# Altium PCB PA-HF_100W-VHF_60W.PcbDoc (part 3 of 3)
Units mm, origin at the board's own origin, x right, y up, seen from the top; angles counter-clockwise.
Board outline 171 x 171 mm, 2 copper layers (Top Layer, Bottom Layer), stack 1.571 mm thick; 425 components, 235 nets, 1294 pads, 562 vias.
Unrouted connection lines stored in the file: 405.
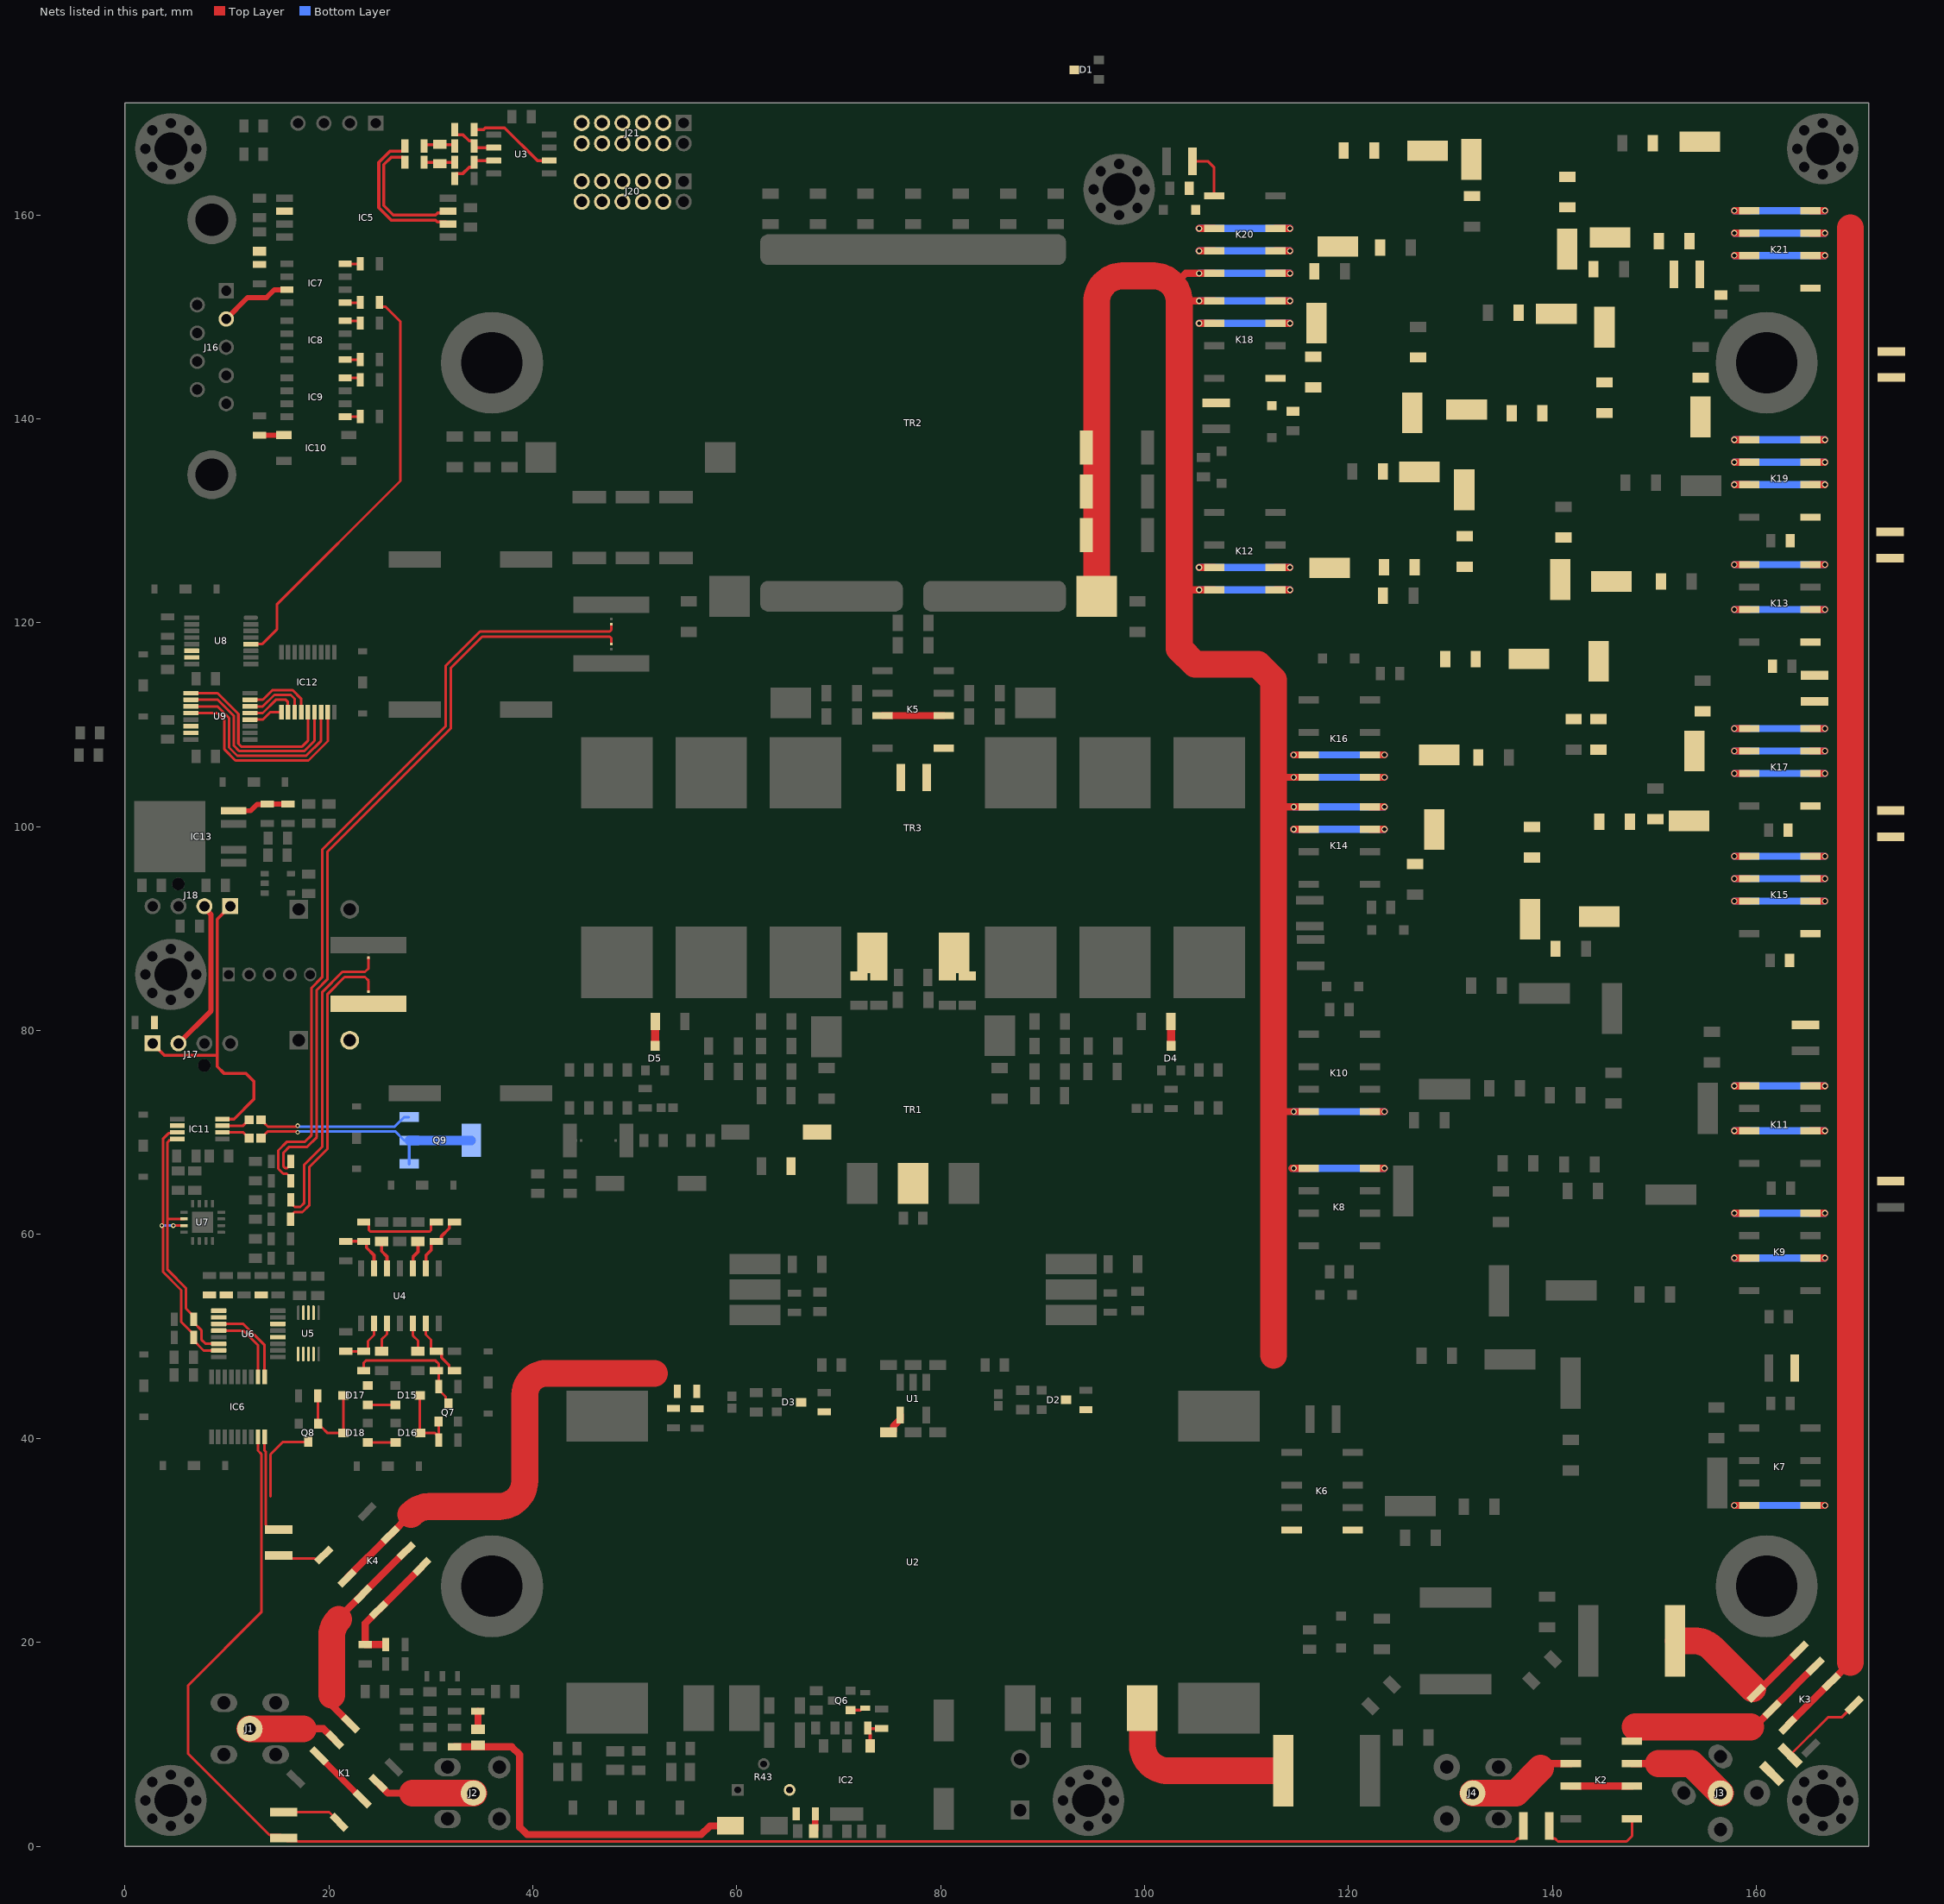
[diagram p3: the nets of this part, all layers, seen from the top]

## Via types
v1: diameter 0.6, hole 0.4, Top Layer to Bottom Layer, 522 vias
v2: diameter 0.6, hole 0.4, Top Layer to Bottom Layer, tented both sides, 26 vias
v3: diameter 0.45, hole 0.25, Top Layer to Bottom Layer, tented both sides, 10 vias
v4: diameter 0.5, hole 0.2, Top Layer to Bottom Layer, tented both sides, 4 vias

## Nets (pads, with @x,y where several pads share a name; then routed paths per layer and width w, separated by ;. In a path a pad name is that pad's centre, name@x,y a point inside that pad or via, vN(x,y) a via of type N, cw(c..) or ccw(c..) an arc to the next point about the centre after c; other vN are vias at no path point) (continued)
NetC93_2: C93.2 C95.1 C99.1 L28.2 L29.1
NetC94_1: C94.1 C95.2 C98.1 L27.2 L28.1
NetC94_2: C94.2 C97.1 K12.3 K12.6 L27.1 | length 11.8
  Top Layer w0.7: v1(105.35,125.425) K12.3@106.825,125.425 ; K12.6@112.825,125.425 v1(114.25,125.425)
  Bottom Layer w0.7: v1(105.35,125.425) 109.8,125.425 v1(114.25,125.425)
NetC100_1: C100.1 K13.1 L30.2
NetC102_1: C102.1 C103.2 C106.1 L31.2 L32.1
NetC102_2: C102.2 C105.1 K14.3 K14.6 L31.1 | length 11.8
  Top Layer w0.7: v1(114.625,99.75) K14.6@116.1,99.75 ; K14.3@122.1,99.75 v1(123.525,99.75)
  Bottom Layer w0.7: v1(114.625,99.75) 119.075,99.75 v1(123.525,99.75)
NetC103_1: C103.1 C107.1 K15.3 K15.6 L32.2 | length 11.8
  Top Layer w0.7: v1(157.825,94.9) K15.6@159.3,94.9 ; K15.3@165.3,94.9 v1(166.725,94.9)
  Bottom Layer w0.7: v1(157.825,94.9) 162.275,94.9 v1(166.725,94.9)
NetC108_1: C108.1 K15.1 L33.2
NetC109_1: C109.1 C111.1 K16.3 K16.6 L34.1 | length 11.8
  Top Layer w0.7: v1(114.625,107.05) K16.3@116.1,107.05 ; K16.6@122.1,107.05 v1(123.525,107.05)
  Bottom Layer w0.7: v1(114.625,107.05) 119.075,107.05 v1(123.525,107.05)
NetC109_2: C109.2 C110.1 C112.1 L34.2 L35.1
NetC110_2: C110.2 C113.1 K17.3 K17.6 L35.2 | length 11.8
  Top Layer w0.7: v1(157.825,107.425) K17.6@159.3,107.425 ; K17.3@165.3,107.425 v1(166.725,107.425)
  Bottom Layer w0.7: v1(157.825,107.425) 162.275,107.425 v1(166.725,107.425)
NetC114_2: C114.2 K17.1 L36.1
NetC116_1: C116.1 C118.2 C122.1 L38.2 L39.1
NetC116_2: C116.2 C119.1 K19.3 K19.6 L39.2 | length 11.8
  Top Layer w0.7: v1(157.825,135.75) K19.6@159.3,135.75 ; K19.3@165.3,135.75 v1(166.725,135.75)
  Bottom Layer w0.7: v1(157.825,135.75) 162.275,135.75 v1(166.725,135.75)
NetC117_1: C117.1 C120.2 K18.3 K18.6 L37.1 | length 11.8
  Top Layer w0.7: v1(105.35,149.375) K18.6@106.825,149.375 ; K18.3@112.825,149.375 v1(114.25,149.375)
  Bottom Layer w0.7: v1(105.35,149.375) 109.8,149.375 v1(114.25,149.375)
NetC117_2: C117.2 C118.1 C121.1 L37.2 L38.1
NetC123_1: C123.1 K19.1 L41.2
NetC124_1: C124.1 D13.1 K18.1 K20.2 K20.7 L40.1 | length 11.8
  Top Layer w0.7: v1(105.35,158.675) K20.2@106.825,158.675 ; K20.7@112.825,158.675 v1(114.25,158.675)
  Bottom Layer w0.7: v1(105.35,158.675) 109.8,158.675 v1(114.25,158.675)
NetC125_1: C125.1 C127.2 C131.1 L43.2 L44.1
NetC125_2: C125.2 C128.1 K21.3 K21.6 L44.2 | length 11.8
  Top Layer w0.7: v1(157.825,158.225) K21.6@159.3,158.225 ; K21.3@165.3,158.225 v1(166.725,158.225)
  Bottom Layer w0.7: v1(157.825,158.225) 162.275,158.225 v1(166.725,158.225)
NetC126_1: C126.1 C129.2 K20.3 K20.6 L42.1 | length 11.8
  Top Layer w0.7: v1(105.35,156.475) K20.3@106.825,156.475 ; K20.6@112.825,156.475 v1(114.25,156.475)
  Bottom Layer w0.7: v1(105.35,156.475) 109.8,156.475 v1(114.25,156.475)
NetC126_2: C126.2 C127.1 C130.1 L42.2 L43.1
NetC132_2: C132.2 K21.1 L46.2
NetC133_1: C133.1 D14.1 K20.1 L45.1 L46.1 | length 5.2
  Top Layer w0.254: L45.1@104.7,165.275 106.2,165.275 106.825,164.65 K20.1@106.825,161.875
NetC134_2: C134.2 U4.10 U5.6 | length 2.9
  Top Layer w0.254: C134.2@25.183,48.55 25.183,49.708 25.705,50.23 U4.10@25.705,51.275
NetC140_2: C140.2 U4.5 U5.7 | length 2.9
  Top Layer w0.3: C140.2@25.183,59.325 25.183,58.367 25.705,57.845 U4.5@25.705,56.675
NetC142_1: C142.1 R57.1 R58.2 | length 3
  Top Layer w0.3: R58.2@29.35,165.175 R57.1@32.35,165.175
NetC142_2: C142.2 R53.1 R54.2 | length 3
  Top Layer w0.3: R54.2@29.35,166.875 32.25,166.875 R53.1@32.35,166.775
NetC143_1: C143.1 IC5.2 R56.2
NetC146_2: C146.2 U4.3 U5.8 | length 2.9
  Top Layer w0.3: U4.3@28.245,56.675 28.245,57.795 28.75,58.3 28.75,59.317 C146.2@28.742,59.325
NetC147_2: C147.2 U4.12 U5.9 | length 2.9
  Top Layer w0.254: U4.12@28.245,51.275 28.245,50.08 28.742,49.583 C147.2@28.742,48.55
NetD1_3: D1.3 L5.1
NetD2_3: D2.3 R22.1
NetD3_3: D3.3 R23.1
NetD4_3: D4.3 R24.1 | length 2.4
  Top Layer w0.8: R24.1@102.575,80.9 102.588,80.888 102.588,78.512 D4.3@102.6,78.5
NetD5_3: D5.3 R25.1 | length 2.4
  Top Layer w0.8: D5.3@52,78.5 52.013,78.512 52.013,80.888 R25.1@52.025,80.9
NetD6_2: D6.2 L13.1 R40.1 | length 35.1
  Top Layer w0.7: R40.1@32.325,9.75 37.95,9.75 38.725,8.975 38.725,1.85 39.435,1.14 56.515,1.14 57.375,2 D6.2@59.375,2
NetD15_3: D15.3 D16.3 Q7.1 R67.2 | length 7.5
  Top Layer w0.254: D15.3@28.925,44.225 28.925,40.575 D16.3@28.95,40.55 30.375,40.55 R67.2@30.775,40.15 ; R67.2@30.775,39.85 R67.2@30.775,40.15 ; Q7.1@30.775,41.665 R67.2@30.775,40.15
NetD17_3: D17.3 D18.3 Q8.1 R79.2 | length 9.3
  Top Layer w0.254: R79.2@18.925,44.175 18.925,41.375 19.224,41.076 19.309,41.076 19.835,40.55 D18.3@21.425,40.55 D17.3@21.425,44.225
NetFB1_2: FB1.2 R26.2 TR1.5
NetFB8_1: FB8.1 Q9.1 Q9.2 Q9.4 | length 23.7
  Top Layer w0.254: FB8.1@13.351,69.45 13.375,69.45 13.677,69.752 13.677,69.776 14.022,70.121 16.853,70.121 v3(16.953,70.021)
  Bottom Layer w0.254: v3(16.953,70.021) 17.006,70.021 17.106,70.121 26.504,70.121 27.4,69.225 Q9.2@27.875,69.225
  Bottom Layer w0.3: Q9.1@27.875,66.925 Q9.2@27.875,69.225
  Bottom Layer w0.9: Q9.2@27.875,69.225 Q9.4@33.975,69.225
NetFB8_2: FB8.2 IC11.2 | length 2.9
  Top Layer w0.254: IC11.2@9.562,70.025 11.6,70.025 12.175,69.45 FB8.2@12.199,69.45
NetFB9_1: FB9.1 Q9.3 | length 15.3
  Top Layer w0.254: FB9.1@13.351,71.25 13.375,71.25 13.677,70.948 13.677,70.924 14.026,70.575 16.85,70.575 v3(16.95,70.675)
  Bottom Layer w0.254: v3(16.95,70.675) 17.003,70.675 17.103,70.575 26.45,70.575 27.4,71.525 Q9.3@27.875,71.525
NetFB9_2: FB9.2 IC11.3 | length 2.9
  Top Layer w0.254: IC11.3@9.562,70.675 11.6,70.675 12.175,71.25 FB9.2@12.199,71.25
NetIC2_1: IC2.1 R45.1 R47.2 | length 3.2
  Top Layer w0.3: IC2.1@73.09,9.85 73.09,11.06 72.85,11.3 R45.1@72.85,11.6 72.9,11.55 R47.2@74.2,11.55
NetIC4_2: IC4.2 NT6.2 R44.2
NetIC5_6: IC5.6 R54.1 | length 15.4
  Top Layer w0.3: R54.1@27.45,166.875 27.45,166.475 27.25,166.275 26.018,166.275 24.9,165.157 24.9,160.725 26.125,159.5 30.475,159.5 30.66,159.315 31.475,159.315 IC5.6@31.675,159.115
NetIC5_7: IC5.7 R58.1 | length 13.6
  Top Layer w0.3: R58.1@27.45,165.175 27.45,165.475 27.25,165.675 26.125,165.675 25.4,164.95 25.4,160.932 26.332,160 30.475,160 30.662,160.187 31.477,160.187 IC5.7@31.675,160.385
NetIC7_1: IC7.1 R72.1 | length 1.5
  Top Layer w0.254: IC7.1@21.6,151.395 23.045,151.395 R72.1@23.075,151.425
NetIC7_4: IC7.4 R73.1 | length 1.5
  Top Layer w0.254: IC7.4@21.6,155.205 23.055,155.205 R73.1@23.075,155.225
NetIC8_1: IC8.1 R76.1 | length 1.5
  Top Layer w0.254: IC8.1@21.6,145.807 23.057,145.807 R76.1@23.075,145.825
NetIC8_4: IC8.4 R80.1 | length 1.6
  Top Layer w0.254: IC8.4@21.6,149.617 22.858,149.617 R80.1@23.075,149.4
NetIC9_1: IC9.1 R82.1 | length 1.5
  Top Layer w0.254: IC9.1@21.6,140.22 23.07,140.22 R82.1@23.075,140.225
NetIC9_4: IC9.4 R84.1 | length 1.6
  Top Layer w0.254: IC9.4@21.6,144.03 22.87,144.03 R84.1@23.075,143.825
NetIC10_1: IC10.1 R86.2 | length 2.4
  Top Layer w0.5: R86.2@13.2,138.4 13.21,138.41 15.59,138.41 IC10.1@15.6,138.42
NetIC11_4: IC11.4 J17.1 J18.1 R87.1 | length 33.1
  Top Layer w0.3: J17.1@2.715,78.745 3.9,77.56 9.05,77.56 ; IC11.4@9.562,71.325 10.7,71.325 12.668,73.293 12.668,75 11.85,75.818 9.707,75.818 9.05,76.475 9.05,77.56 ; J18.1@10.335,92.205 9.05,90.92 9.05,81.073 9.05,77.56
  Top Layer w0.5: J17.1@2.715,78.745 J17.1@2.8,78.83
NetIC12_1: IC12.1 U9.4 | length 3.4
  Top Layer w0.254: U9.4@12.268,110.501 13.526,110.501 14.25,111.225 IC12.1@15.35,111.225
NetIC12_2: IC12.2 U9.5 | length 5.4
  Top Layer w0.254: U9.5@12.268,111.151 13.517,111.151 14.842,112.476 15.75,112.476 15.993,112.233 IC12.2@15.993,111.225
NetIC12_3: IC12.3 U9.6 | length 6.3
  Top Layer w0.254: U9.6@12.268,111.801 13.525,111.801 14.654,112.93 16.261,112.93 16.65,112.541 IC12.3@16.65,111.225
NetIC12_4: IC12.4 U9.7 | length 7.1
  Top Layer w0.254: U9.7@12.268,112.451 13.533,112.451 14.466,113.384 16.449,113.384 17.3,112.533 IC12.4@17.3,111.225
NetIC12_5: IC12.5 U9.9 | length 18.4
  Top Layer w0.254: U9.9@6.468,113.101 9.091,113.101 11.129,111.063 11.129,108.138 11.405,107.862 17.387,107.862 17.95,108.425 IC12.5@17.95,111.225
NetIC12_6: IC12.6 U9.10 | length 19.2
  Top Layer w0.254: U9.10@6.468,112.451 9.099,112.451 10.675,110.875 10.675,107.95 11.217,107.408 17.583,107.408 18.6,108.425 IC12.6@18.6,111.225
NetIC12_7: IC12.7 U9.11 | length 19.9
  Top Layer w0.254: U9.11@6.468,111.801 9.074,111.801 10.221,110.654 10.221,107.762 11.029,106.954 17.779,106.954 19.25,108.425 IC12.7@19.25,111.225
NetIC12_8: IC12.8 U9.12 | length 20.6
  Top Layer w0.254: U9.12@6.468,111.151 9.041,111.151 9.767,110.425 9.767,107.574 10.841,106.5 18,106.5 19.9,108.4 IC12.8@19.9,111.225
NetIC13_5: IC13.5 R88.1 R89.1 | length 5.6
  Top Layer w0.5: IC13.5@10.65,101.565 12.34,101.565 12.957,102.182 13.932,102.182 R88.1@13.975,102.225 R89.1@16,102.225
NetJ1_5: J1.5 K1.6 | length 8.8
  Top Layer w0.7: 17.5,11.525 19.488,11.525 K1.6@20.585,10.428
  Top Layer w2.636: J1.5@12.25,11.525 17.5,11.525
NetJ2_5: J2.5 K1.3 | length 9.8
  Top Layer w0.7: K1.3@24.828,6.185 25.798,5.215 28.21,5.215
  Top Layer w2.636: 28.21,5.215 J2.5@34.185,5.215
NetJ3_5: J3.5 K2.3 | length 9.9
  Top Layer w0.7: K2.3@147.8,8.1 150.4,8.1
  Top Layer w2.636: 150.4,8.1 153.59,8.1 J3.5@156.475,5.215
NetJ4_5: J4.5 K2.6 | length 10.8
  Top Layer w0.7: 138.85,7.65 139.3,8.1 K2.6@141.8,8.1
  Top Layer w2.636: J4.5@132.185,5.215 136.415,5.215 138.85,7.65
NetJ17_2: J17.2 J18.2 | length 15.1
  Top Layer w0.5: J17.2@5.255,78.745 8.45,81.94 8.45,91.377 7.795,92.032 J18.2@7.795,92.205
NetK1_1: K1.1 L1.1 | length 5.8
  Top Layer w0.254: L1.1@15.575,3.35 20.026,3.35 K1.1@21.009,2.367
NetK1_2: K1.2 K1.7 | length 6
  Top Layer w0.6: K1.7@19.029,8.872 K1.2@23.272,4.629
NetK1_5: K1.5 K4.3 K4.6 | length 20.7
  Top Layer w0.7: 20.275,14.8 20.275,13.849 K1.5@22.141,11.983 ; 20.968,22.243 cw(c21.3,22.243) 21.066,22.478 K4.3@23.335,24.747 K4.6@27.578,28.99
  Top Layer w2.636: 20.275,14.8 20.275,20.569 cw(c22.643,20.569) 20.968,22.243
NetK2_1: K2.1 L2.1 | length 11.2
  Top Layer w0.254: L2.1@139.7,1.975 139.7,1.05 139.998,0.752 140.248,0.752 140.525,0.475 147.275,0.475 147.8,1 K2.1@147.8,2.7
NetK2_2: K2.2 K2.7 | length 6
  Top Layer w0.7: K2.7@141.8,5.9 K2.2@147.8,5.9
NetK2_4: K2.4 K3.3 K3.6 | length 20.1
  Top Layer w0.7: 159.425,11.7 159.787,11.7 K3.6@161.522,13.435 K3.3@165.765,17.678
  Top Layer w2.636: 148.125,11.7 159.425,11.7
NetK3_1: K3.1 L4.2 | length 8.3
  Top Layer w0.254: L4.2@163.302,8.927 167.05,12.675 168.399,12.675 K3.1@169.583,13.859
NetK3_2: K3.2 K3.7 K7.4 K7.5 K9.4 K9.5 K11.4 K11.5 K13.4 K13.5 K15.4 K15.5 K17.4 K17.5 K19.4 K19.5 K21.4 K21.5 | length 243.8
  Top Layer w0.7: v1(157.825,33.425) K7.4@159.3,33.425 ; v1(157.825,62.1) K9.5@159.3,62.1 ; v1(157.825,74.575) K11.5@159.3,74.575 ; v1(157.825,97.1) K15.5@159.3,97.1 ; v1(157.825,109.625) K17.5@159.3,109.625 ; v1(157.825,125.7) K13.5@159.3,125.7 ; v1(157.825,137.95) K19.5@159.3,137.95 ; v1(157.825,160.425) K21.5@159.3,160.425 ; K3.7@163.078,11.879 169.226,18.028 ; K7.5@165.3,33.425 v1(166.725,33.425) ; K9.4@165.3,62.1 v1(166.725,62.1) ; K11.4@165.3,74.575 v1(166.725,74.575) ; K15.4@165.3,97.1 v1(166.725,97.1) ; K17.4@165.3,109.625 v1(166.725,109.625) ; K13.4@165.3,125.7 v1(166.725,125.7) ; K19.4@165.3,137.95 v1(166.725,137.95) ; K21.4@165.3,160.425 v1(166.725,160.425)
  Top Layer w2.636: 169.226,18.028 169.226,158.756
  Bottom Layer w0.7: v1(157.825,33.425) 162.275,33.425 v1(166.725,33.425) ; v1(157.825,62.1) 162.275,62.1 v1(166.725,62.1) ; v1(157.825,74.575) 162.275,74.575 v1(166.725,74.575) ; v1(157.825,97.1) 162.275,97.1 v1(166.725,97.1) ; v1(157.825,109.625) 162.275,109.625 v1(166.725,109.625) ; v1(157.825,125.7) 162.275,125.7 v1(166.725,125.7) ; v1(157.825,137.95) 162.275,137.95 v1(166.725,137.95) ; v1(157.825,160.425) 162.275,160.425 v1(166.725,160.425)
NetK3_4: K3.4 K3.5 L8.2 | length 15.1
  Top Layer w0.7: K3.5@159.967,14.991 K3.4@164.209,19.233
  Top Layer w2.636: L8.2@152.35,20.15 153.898,20.15 cw(c153.898,17.61) 155.694,19.406 159.637,15.462
NetK4_1: K4.1 L3.1 | length 4.8
  Top Layer w0.254: L3.1@15.075,28.525 15.373,28.227 18.621,28.227 18.742,28.106 19.057,28.106 K4.1@19.517,28.566
NetK4_2: K4.2 K4.7 R10.1 R16.2 | length 44
  Top Layer w0.7: K4.2@21.779,26.303 K4.7@26.022,30.546 27.967,32.491 cw(c28.05,32.408) 28.05,32.525
  Top Layer w2.636: 28.05,32.525 28.106,32.581 cw(c29.902,30.785) 29.902,33.325 36.685,33.325 ccw(c36.685,35.865) 39.225,35.865 39.225,44.285 cw(c41.315,44.285) 41.315,46.375 51.925,46.375
NetK4_4: K4.4 K4.5 R36.1 R37.2 | length 12
  Top Layer w0.7: R37.2@25.575,19.775 R36.1@23.575,19.775 23.575,21.876 K4.4@24.891,23.192 K4.5@29.133,27.434
NetK5_1: K5.1 L5.2
NetK5_2: K5.2 K5.7 | length 6
  Top Layer w0.7: K5.7@74.3,110.9 K5.2@80.3,110.9
NetK6_4: K6.4 K6.5 K8.4 K8.5 K10.4 K10.5 K12.4 K12.5 K14.4 K14.5 K16.4 K16.5 K18.4 K18.5 K20.4 K20.5 R11.2 R12.2 R13.2 TR2.2 | length 244.1
  Top Layer w0.7: 102.875,153.125 104.025,154.275 K20.4@106.825,154.275 ; 103.4,123.3 103.475,123.225 K12.4@106.825,123.225 ; 103.4,137.1 103.45,137.05 ; 103.4,148.75 103.425,148.775 ; 103.425,151.575 K18.5@106.825,151.575 ; K12.5@112.825,123.225 v1(114.25,123.225) ; K18.4@112.825,151.575 v1(114.25,151.575) ; K20.5@112.825,154.275 v1(114.25,154.275) ; 113.4,101.9 113.45,101.95 K14.5@116.1,101.95 ; 113.4,104.825 113.425,104.85 K16.4@116.1,104.85 ; 113.425,72.05 K10.4@116.1,72.05 ; v1@114.425,66.5 K8.5@116.1,66.5 ; K8.4@122.1,66.5 v1(123.525,66.5) ; K10.5@122.1,72.05 v1(123.525,72.05) ; K14.4@122.1,101.95 v1(123.525,101.95) ; K16.5@122.1,104.85 v1(123.525,104.85)
  Top Layer w2.636: TR2.2@95.3,122.6 95.3,151.485 cw(c97.84,151.485) 97.84,154.025 100.86,154.025 cw(c100.86,151.485) 103.4,151.485 103.4,148.75 103.4,137.1 103.4,123.3 103.4,117.469 104.944,115.925 111.106,115.925 112.65,114.381 112.65,48.175
  Bottom Layer w0.7: v1(105.35,123.225) v1(114.25,123.225) ; v1(105.35,151.575) v1(114.25,151.575) ; v1(105.35,154.275) v1(114.25,154.275) ; v1(114.625,66.5) v1(123.525,66.5) ; v1(114.625,72.05) v1(123.525,72.05) ; v1(114.625,101.95) v1(123.525,101.95) ; v1(114.625,104.85) v1(123.525,104.85)
NetK9_2: K9.2 K9.7 L18.1 | length 11.8
  Top Layer w0.7: v1(157.825,57.7) K9.7@159.3,57.7 ; K9.2@165.3,57.7 v1(166.725,57.7)
  Bottom Layer w0.7: v1(157.825,57.7) 162.275,57.7 v1(166.725,57.7)
NetK11_2: K11.2 K11.7 L22.1 | length 11.8
  Top Layer w0.7: v1(157.825,70.175) K11.7@159.3,70.175 ; K11.2@165.3,70.175 v1(166.725,70.175)
  Bottom Layer w0.7: v1(157.825,70.175) 162.275,70.175 v1(166.725,70.175)
NetK13_2: K13.2 K13.7 L36.2 | length 11.8
  Top Layer w0.7: v1(157.825,121.3) K13.7@159.3,121.3 ; K13.2@165.3,121.3 v1(166.725,121.3)
  Bottom Layer w0.7: v1(157.825,121.3) 162.275,121.3 v1(166.725,121.3)
NetK15_2: K15.2 K15.7 L26.1 | length 11.8
  Top Layer w0.7: v1(157.825,92.7) K15.7@159.3,92.7 ; K15.2@165.3,92.7 v1(166.725,92.7)
  Bottom Layer w0.7: v1(157.825,92.7) 162.275,92.7 v1(166.725,92.7)
NetK17_2: K17.2 K17.7 L33.1 | length 11.8
  Top Layer w0.7: v1(157.825,105.225) K17.7@159.3,105.225 ; K17.2@165.3,105.225 v1(166.725,105.225)
  Bottom Layer w0.7: v1(157.825,105.225) 162.275,105.225 v1(166.725,105.225)
NetK19_2: K19.2 K19.7 L30.1 | length 11.8
  Top Layer w0.7: v1(157.825,133.55) K19.7@159.3,133.55 ; K19.2@165.3,133.55 v1(166.725,133.55)
  Bottom Layer w0.7: v1(157.825,133.55) 162.275,133.55 v1(166.725,133.55)
NetK21_2: K21.2 K21.7 L41.1 | length 11.8
  Top Layer w0.7: v1(157.825,156.025) K21.7@159.3,156.025 ; K21.2@165.3,156.025 v1(166.725,156.025)
  Bottom Layer w0.7: v1(157.825,156.025) 162.275,156.025 v1(166.725,156.025)
NetL7_1: L7.1 U2.4 | length 18.6
  Top Layer w2.636: U2.4@99.775,13.55 99.775,9.94 ccw(c102.315,9.94) 102.315,7.4 L7.1@113.275,7.4
NetL13_2: L13.2 R35.1 | length 1.8
  Top Layer w0.7: L13.2@34.625,11.485 R35.1@34.625,13.25
NetL14_1: L14.1 R41.2 | length 1.8
  Top Layer w0.65: L14.1@67.56,1.475 67.7,1.615 67.7,3.15 R41.2@67.725,3.175
NetQ7_3: Q7.3 R48.2 R55.2 R66.2 R68.2 R70.2 | length 21.2
  Top Layer w0.254: R48.2@23.417,46.65 23.417,47.417 23.625,47.625 30.475,47.625 30.775,47.325 R68.2@30.775,45.075 30.775,44.775 31.451,44.099 31.451,43.709 Q7.3@31.725,43.435 ; R55.2@23.417,61.225 23.717,61.225 23.94,61.002 23.94,60.424 24.088,60.275 29.862,60.275 30.01,60.424 30.01,61.002 30.233,61.225 R66.2@30.533,61.225
NetR5_2: R5.2 R7.2 TR3.2
NetR9_2: R9.2 R15.2 TR3.1
NetR10_2: R10.2 R17.2 U1.5 | length 2.4
  Top Layer w0.7: U1.5@74.9,40.6 75.225,40.6 75.375,40.75 75.375,41.21 76.03,41.865 U1.5@76.03,42.31
NetR41_1: R41.1 R43.3
NetR48_1: R48.1 R52.2 U4.9 | length 5
  Top Layer w0.254: R52.2@21.65,48.55 R48.1@23.417,48.55 23.627,48.55 23.85,48.773 23.85,49.55 24.435,50.135 U4.9@24.435,51.275
NetR49_1: R49.1 R53.2 U3.2 | length 4.6
  Top Layer w0.3: R49.1@32.35,168.375 32.35,168.075 32.55,167.875 33.15,167.875 33.75,167.275 34.05,167.275 34.25,167.075 R53.2@34.25,166.775 ; R53.2@34.52,166.61 U3.2@36.175,166.61
NetR55_1: R55.1 R59.2 U4.6 | length 4.9
  Top Layer w0.3: R59.2@21.65,59.325 23.499,59.325 23.699,59.125 23.699,58.701 24.435,57.965 U4.6@24.435,56.675
NetR57_2: R57.2 R60.1 U3.3 | length 4.6
  Top Layer w0.3: R60.1@32.35,163.575 32.35,163.875 32.55,164.075 33.15,164.075 33.75,164.675 34.05,164.675 34.25,164.875 R57.2@34.25,165.175 ; R57.2@34.52,165.34 U3.3@36.175,165.34
NetR66_1: R66.1 R69.2 U4.2 | length 6.2
  Top Layer w0.3: U4.2@29.515,56.675 29.515,57.953 30.033,58.472 30.033,59.125 30.233,59.325 30.833,59.325 31.033,59.525 31.033,59.825 31.825,60.617 31.825,61.025 32.025,61.225 R69.2@32.325,61.225
NetR70_1: R70.1 R71.2 U4.13 | length 6.3
  Top Layer w0.254: U4.13@29.515,51.275 29.515,50.185 30.018,49.682 30.018,48.773 30.241,48.55 30.833,48.55 31.056,48.327 31.056,47.919 31.81,47.165 31.81,46.873 32.033,46.65 R71.2@32.325,46.65
NetU5_4: U5.4 U6.4
OUT_CURR_N: NT2.1 R83.1 | length 77.3
  Top Layer w0.254: R83.1@16.275,65.275 16.275,65.575 15.879,65.971 15.539,65.971 15.052,66.458 15.052,68.252 15.908,69.108 17.665,69.108 18.316,69.759 18.316,84.203 19.342,85.23 19.342,97.742 31.475,109.875 31.475,115.8 34.829,119.154 47.551,119.154 47.7,119.303 NT2.1@47.7,119.867
OUT_CURR_P: NT4.1 R81.1 | length 75.6
  Top Layer w0.254: R81.1@16.275,67.175 16.275,66.875 15.919,66.519 15.709,66.519 15.56,66.668 15.56,68.042 16.118,68.6 17.875,68.6 18.824,69.549 18.824,83.993 19.85,85.019 19.85,97.532 31.983,109.665 31.983,115.59 35.039,118.646 47.551,118.646 47.7,118.497 NT4.1@47.7,117.925
PWR_ON_EX: IC7.7 J16.2 | length 7.1
  Top Layer w0.5: J16.2@9.94,149.795 12.045,151.9 13.9,151.9 14.665,152.665 IC7.7@15.9,152.665
PWR_ON_IN: R72.2 U8.4 | length 41.3
  Top Layer w0.254: U8.4@12.35,117.9 13.45,117.9 14.896,119.346 14.896,121.794 27.014,133.912 27.014,149.553 25.557,151.01 25.198,151.01 24.975,151.233 R72.2@24.975,151.425
RFUNT_ALC: J20.11 J21.11 R49.2 U3.6 | length 8.8
  Top Layer w0.3: R49.2@34.25,168.375 35.18,168.375 35.335,168.53 37.245,168.53 40.435,165.34 U3.6@41.625,165.34
RFUNT_CLK: J20.5 J21.5
RFUNT_DATA_IN: J20.7 J21.7
RFUNT_OE: J20.8 J21.8
RFUNT_RCLK: J20.6 J21.6
RFUNT_THERM: J20.12 J21.12
SCL: IC11.8 J20.3 J21.3 R50.2 U5.2 U6.14 U7.6 U8.14 U9.14 | length 25.3
  Top Layer w0.254: IC11.8@5.138,69.375 5.04,69.277 4.402,69.277 4.179,69.054 4.179,61.525 ; U7.6@5.8,61.525 4.179,61.525 ; U6.14@9.2,49.275 7.925,49.275 7.5,49.7 7.5,50.625 6.75,51.375 R50.2@6.75,51.675 6.75,51.975 5.981,52.744 5.981,54.736 4.179,56.538 4.179,61.525
SDA: IC11.7 J20.4 J21.4 R51.2 U5.3 U6.15 U7.7 U8.15 U9.15 | length 27.7
  Top Layer w0.254: v3(4.75,60.875) U7.7@5.8,60.875 ; IC11.7@5.138,70.025 5.04,69.927 4.277,69.927 3.725,69.375 3.725,56.35 5.527,54.548 5.527,51.423 6.75,50.2 R51.2@6.75,49.9 6.75,49.6 7.725,48.625 U6.15@9.2,48.625
  Bottom Layer w0.254: v3(3.625,60.875) v3(4.75,60.875)
SWR_BACKW: J20.9 J21.9
SWR_FORW: J20.10 J21.10
T\E\M\P\_\A\L\A\R\M\: D16.2 D18.1 IC11.6 R63.2 U6.9 | length 2.7
  Top Layer w0.254: D18.1@23.825,39.6 D16.2@26.55,39.6
TX: IC6.17 L1.2 L2.2 | length 169.9
  Top Layer w0.254: IC6.17@13.05,40.15 13.05,38.808 13.375,38.483 13.375,22.95 6.2,15.775 6.2,9.075 14.177,1.098 15.277,1.098 15.873,0.502 16.908,0.502 16.947,0.463 136.288,0.463 136.577,0.752 136.852,0.752 137.15,1.05 L2.2@137.15,1.975
TX_ON: IC6.2 U6.12 | length 7.5
  Top Layer w0.254: U6.12@9.2,50.575 11.625,50.575 13.05,49.15 IC6.2@13.05,46.05
V\S\W\R\_\A\L\A\R\M\: D15.2 D17.1 R61.2 U6.6 | length 2.7
  Top Layer w0.254: D17.1@23.825,43.275 D15.2@26.525,43.275
VHF_AMP_EN: IC6.1 U6.11 | length 8.5
  Top Layer w0.254: U6.11@9.2,51.225 11.625,51.225 13.7,49.15 IC6.1@13.7,46.05
VHF_AMP_ON: IC6.18 L3.2 L4.1 | length 10.2
  Top Layer w0.254: IC6.18@13.7,40.15 13.7,38.8 13.829,38.671 13.829,31.522 13.852,31.499 13.852,31.373 14.15,31.075 L3.2@15.075,31.075
VHF_BIAS_EN: D17.2 R64.2 U6.10
VHF_BIAS_ON: Q6.1 Q8.3 R46.2 | length 9.8
  Top Layer w0.254: 14.283,34.325 14.283,38.433 15.515,39.665 Q8.3@18,39.665
  Top Layer w0.3: Q6.1@71.185,13.35 72.15,13.35 72.35,13.55 R46.2@72.6,13.55
VHF_CURR_N: NT6.1 R78.1 | length 30
  Top Layer w0.254: R78.1@16.25,61.5 16.473,61.723 16.473,62.047 16.622,62.196 17.414,62.196 18.108,62.89 18.108,66.633 19.848,68.373 19.848,83.549 21.545,85.246 23.55,85.246 23.9,84.896 NT6.1@23.9,83.829
VHF_CURR_P: NT5.1 R77.1 | length 29.9
  Top Layer w0.254: R77.1@16.275,63.4 16.498,63.177 16.498,62.853 16.647,62.704 17.204,62.704 17.6,63.1 17.6,66.843 19.34,68.583 19.34,83.759 21.335,85.754 23.55,85.754 23.9,86.104 NT5.1@23.9,87.171
pads on no net: IC6.3 IC6.4 IC6.5 IC6.6 IC6.7 IC6.8 IC6.11 IC6.12 IC6.13 IC6.14 IC6.15 IC6.16 J17. J18. J19.5 U1. U3.1 U3.5 U3.8 U5.5 U6.13 U7.8 U7.10 U7.13 U7.17@7.056,60.63 U7.17@7.056,61.77 U7.17@8.195,60.63 U7.17@8.195,61.77 U8.12 U8.13 U9.13 U10.4

## Polygon pours and split planes (outlines as drawn)
GND_E on Bottom Layer "GND_E_L02_P000" (solid, pour order 0): 14.825,154.85 13.975,154 9.55,154 8.675,153.125 8.675,141.25 9.85,140.075 14.275,140.075 14.875,139.475 14.875,135.05 15.525,134.4 16.75,134.4 17.25,134.9 17.25,157.275 20.3,160.325 20.3,169.5 19.775,170.025 15.2,170.025 14.825,169.65
GND on Top Layer "GND_L01_P002" (solid, pour order 2): 95.275,122.8 95.275,151.485 cw(c97.815,151.485) 97.815,154.025 100.86,154.025 cw(c100.86,151.485) 103.4,151.485 103.4,121.6 95.3,121.6 95.3,122.6

## Keep-outs
Keep-Out Layer:
  the board outline again, w0.254

## Other copper
Top Layer:
  rectangle net NetC50_1: 37.8,13.85 39.125,16.5
  rectangle net NetK2_4: 146.8,9.95 148.8,13.025
  region net NetC50_2: 47.85,8 47.85,6.675 50.5,6.675 50.5,8
  region net NetC50_2: 50.975,5.125 49.65,5.125 49.65,2.475 50.975,2.475
  rectangle net NetC50_2: 47.4,2.475 48.725,5.125
  rectangle net NetC51_2: 53.975,2.475 55.3,5.125
  region net NetC50_1: 44.575,5.125 43.25,5.125 43.25,2.475 44.575,2.475
  region net GND: 62.6,139.425 66.275,143.1 90.725,143.1 92.3,141.525 92.3,127.225 90.675,125.6 64.225,125.6 62.6,127.225
  region net GND: 14.825,100.675 14.825,95.45 14.1,94.725 13.4,94.725 13.325,94.65 13.325,94.25 13.4,94.175 14.125,94.175 14.325,93.975 14.325,92.175 15.65,92.175 15.65,95.8 17.1,97.25 17.1,100.55 16.975,100.675
  region net +3.3V: 18.9,95.075 18.9,97.9 20.675,99.675 20.675,100.775 17.375,100.775 17.375,97.15 15.875,95.65 15.875,94.95 15.925,94.9 18.725,94.9
  region net GND: 89.6,74.475 89.7,74.375 89.7,72.85 89.625,72.775 64.975,72.775 64.875,72.875 64.875,74.4 64.95,74.475
  region net NetC33_2: 53.2,73.975 53.375,74.15 53.375,76.6 53.2,76.775 48.925,76.775 48.825,76.675 48.825,74.1 48.95,73.975
  region net NetC40_2: 52.925,71.75 53.05,71.875 53.05,72.925 52.925,73.05 48.9,73.05 48.825,72.975 48.825,71.825 48.9,71.75
  region net NetFB1_2: 64.6,68.9 64.6,65.95 64.7,65.85 65.775,65.85 65.875,65.95 65.875,67.4 66.575,68.1 66.575,68.825 66.375,69.025 64.725,69.025
  region net NetC32_2: 58.45,64.275 60.025,65.85 62.65,65.85 62.875,66.075 62.875,70.475 62.575,70.775 57.225,70.775 56.975,70.525 56.975,68.5 54.225,65.75 54.225,64.45 54.4,64.275
  region net NetC35_2: 46.3,64.275 51.1,64.275 51.35,64.525 51.35,70.75 51.225,70.875 48.75,70.875 48.527,70.652 48.527,67.877 47.325,66.675 46.5,66.675 46.2,66.375 46.2,64.375
  region net GND: 17.5,101.775 20.575,101.775 20.675,101.875 20.675,104.2 20.475,104.4 17.575,104.4 17.375,104.2 17.375,101.9
  region net +5V: 14.5,100.675 14.625,100.55 14.625,95.55 14.2,95.125 13.35,95.125 12.6,95.875 12.6,99.55 12.25,99.9 9.5,99.9 9.4,100 9.4,100.6 9.475,100.675
  region net GND: 18.673,93.902 18.9,93.675 18.9,87.475 17.35,85.925 17.35,84.953 17.975,84.328 17.975,73.275 17.575,72.875 13.825,72.875 13.05,73.65 13.05,75.125 11.925,76.25 9.925,76.25 9.525,76.65 9.525,80.125 9.525,83.75 9.825,84.05 12.675,84.05 13.05,84.425 13.05,92.525 13.325,92.8 15.325,92.8 17,92.8 17.175,92.975 17.175,93.889
  region net GND: 7.9,104.075 7.5,104.475 0.625,104.475 0.5,104.35 0.5,93.85 0.75,93.6 1.95,93.6 2.125,93.775 2.125,95.275 2.4,95.55 7.775,95.55 7.9,95.675
  region net +12V_LP: 9.825,84.3 9.575,84.55 9.575,89.45 11.375,91.25 11.375,93.3 11.075,93.6 9.525,93.6 9.4,93.725 9.4,95.025 9.4,98.05 9.5,98.15 11.8,98.15 11.9,98.05 11.9,96.125 12.725,95.3 12.725,84.45 12.575,84.3
  region net GND: 61.825,161.6 61.45,161.975 61.45,165.45 61.825,165.825 91.775,165.825 92.3,165.3 92.3,162.075 91.825,161.6
  region net NetC20_2: 43.9,132 45.1,130.8 60.8,130.8 61.79,131.79 61.803,140.403 65.6,144.2 90.675,144.2 92.3,145.825 92.3,158.9 91.6,159.6 61.439,159.6 57.5,155.661 49.15,155.661 49.047,155.661 43.9,150.515
  region net NetC36_2: 55.3,127.2 55.7,126.8 55.7,125.1 50.8,120.2 35.4,120.2 34.4,121.2 34.4,129.75 33.4,130.75 31.775,130.75 31,131.525 31,133.3 31,135.475 31.525,136 41.8,136 42.3,135.5 42.3,130.2 45.3,127.2
  region net GND: 73.775,14.45 77.775,14.45 78.075,14.15 78.075,7.225 78.9,6.4 90.475,6.4 91.475,7.4 91.475,15.375 91.9,15.8 95.55,15.8 96,15.35 96,7.975 98.025,5.95 98.025,1.6 97.425,1 75.825,1 75.25,1.575 75.25,12.7 74.85,13.1 73.75,13.1 73.55,13.3 73.55,14.225
  region net GND: 54.9,120.6 54.5,121 54.5,123.275 56.2,124.975 56.2,126.9 56.5,127.2 61,127.2 61.3,126.9 61.3,120.75 61.15,120.6
  region net GND: 31.542,137.758 31,138.3 31,148.5 33.6,151.1 42.7,151.1 43.3,150.5 43.3,139.375 42.7,138.775 39.551,138.775 38.534,137.758
  region net GND: 32.075,68.15 31.5,67.575 26.075,67.575 25.35,68.3 25.35,75.925 26.1,76.675 30.9,76.675 32.075,75.5
  region net GND: 31,116.175 31,110.15 24.675,103.825 22.675,103.825 22.675,123.95 28.875,130.15 33.2,130.15 33.725,129.625 33.725,118.9
  region net NetC13_2: 76.3,123.65 76.3,115.6 75.6,114.9 70.575,114.9 69.3,113.625 69.3,110.3 69.025,110.025 61.725,110.025 61,109.3 61,102 60.8,101.8 54.3,101.8 54,102.1 54,111.3 54,119 54.7,119.7 61.875,119.7 62.3,120.125 62.3,123.675 62.725,124.1 75.85,124.1
  region net NetC4_1: 78.3,123.65 78.3,115.6 79,114.9 84.025,114.9 85.3,113.625 85.3,110.3 85.575,110.025 92.875,110.025 93.6,109.3 93.6,102 93.8,101.8 100.3,101.8 100.6,102.1 100.6,111.3 100.6,119 99.9,119.7 92.725,119.7 92.3,120.125 92.3,123.675 91.875,124.1 78.75,124.1
  region net NetC67_2: 62.35,2.75 62.475,2.875 64.8,2.875 65,2.675 65,2.25 65.125,2.125 66.35,2.125 66.45,2.025 66.45,0.875 66.375,0.8 62.475,0.8 62.35,0.925
  region net NetIC4_2: 20.175,83.2 20.4,83.425 27.4,83.425 27.625,83.2 27.625,77.525 27.225,77.125 20.575,77.125 20.175,77.525
  region net NetC11_2: 95.3,56.1 95.3,64.1 94.8,64.6 84.3,64.6 83.8,65.1 83.8,66.7 83.5,67 81.1,67 80.8,66.7 80.8,62.5 80.55,62.25 77.925,62.25 77.8,62.125 77.8,60.9 77.9,60.8 89.8,60.8 90.3,60.3 90.3,56.4 90.6,56.1
  region net NetC11_1: 59.3,56.1 59.3,64.1 59.8,64.6 70.3,64.6 70.8,65.1 70.8,66.7 71.1,67 73.5,67 73.8,66.7 73.8,62.5 74.05,62.25 76.675,62.25 76.8,62.125 76.8,60.9 76.7,60.8 64.8,60.8 64.3,60.3 64.3,56.4 64,56.1
  region net NetR9_2: 74.8,89.35 74.525,89.625 71.375,89.625 71.125,89.375 71.125,85.125 71.325,84.925 74.575,84.925 74.8,85.15
  region net NetR5_2: 79.8,89.35 80.075,89.625 83.2,89.625 83.475,89.35 83.475,85.125 83.275,84.925 80.025,84.925 79.8,85.15
  region net NetC12_1: 53.975,89.9 53.975,82.225 54.45,81.75 54.45,75.4 54.7,75.15 57.425,75.15 57.7,75.425 57.7,79.625 58.175,80.1 62.775,80.1 62.875,80.2 62.875,81.53 62.7,81.7 61.375,81.7 60.975,82.1 60.975,83.183 60.975,89.975 60.75,90.2 54.275,90.2
  region net NetC18_2: 59.65,79.35 59.65,72.85 59.725,72.775 62.825,72.775 62.875,72.825 62.875,79.3 62.825,79.35
  region net NetC10_2: 76.3,86.05 76.3,76.4 75.725,75.825 67.2,75.825 66.975,75.6 66.975,75.2 64.9,75.2 64.9,79.3 67.025,79.3 67.3,79.575 74.05,79.575 75.3,80.825 75.3,85.95 75.4,86.05
  region net NetC1_2: 78.3,86.05 78.3,76.4 78.875,75.825 87.4,75.825 87.625,75.6 87.625,75.2 89.7,75.2 89.7,79.3 87.575,79.3 87.3,79.575 80.55,79.575 79.3,80.825 79.3,85.95 79.2,86.05
  region net NetC3_2: 94.925,79.35 94.925,72.85 94.85,72.775 91.75,72.775 91.7,72.825 91.7,79.3 91.75,79.35
  region net NetC9_1: 100.6,89.9 100.6,82.225 100.125,81.75 100.125,75.4 99.875,75.15 97.15,75.15 96.875,75.425 96.875,79.625 96.4,80.1 91.8,80.1 91.7,80.2 91.7,81.53 91.875,81.7 93.2,81.7 93.6,82.1 93.6,83.183 93.6,89.975 93.825,90.2 100.3,90.2
  region net NetR41_1: 66.175,6.1 66.175,2.575 66.125,2.525 65.525,2.525 65.475,2.575 65.475,3.575 65.375,3.675 64.6,3.675 64.5,3.775 64.5,6.1 64.625,6.225 66.05,6.225
  region net GND: 70.35,2.125 72.725,2.125 72.725,0.825 70.35,0.825
  region net NetC69_2: 67.15,13.8 68.475,13.8 68.925,14.25 68.925,14.625 69,14.7 69.85,14.7 69.9,14.65 69.9,13.8 70.1,13.6 70.1,10.95 69.8,10.65 69.8,9.3 69.7,9.2 68.125,9.2 68.025,9.3 68.025,10.475 68.075,10.525 68.4,10.525 68.7,10.825 68.7,12.55 68.625,12.625 67.35,12.625 67.15,12.825
  region net NetC67_2: 70.325,9.2 69.825,8.7 67.8,8.7 67.55,8.45 67.55,4.95 67.8,4.7 68.375,4.7 68.575,4.5 68.575,2.775 68.85,2.5 74.225,2.5 74.5,2.775 74.5,8.4 74.2,8.7 71.775,8.7 71.275,9.2 71.275,10.425 71.2,10.5 70.4,10.5 70.325,10.425
  region net NetC61_1: 70.3,15 70.5,14.8 81.2,14.8 81.2,15.7 81.1,15.8 70.4,15.8 70.3,15.7
  region net NetC53_1: 59.3,15.2 59.9,15.8 63.2,15.8 63.7,15.3 63.7,7.65 63.15,7.1 61.625,7.1 59.3,9.425
  region net NetC61_1: 78.6,15.5 78.9,15.8 90.4,15.8 90.8,15.4 90.8,7.775 90.375,7.35 79.075,7.35 78.6,7.825
  region net +12V: 50.925,117.575 51.4,117.1 51.4,110.8 50.7,110.1 43.25,110.1 42.2,109.05 42.2,81.175 44.325,79.05 44.325,65.925 43.9,65.5 39,65.5 36.95,67.55 33.213,67.55 32.575,68.188 32.575,75.726 28.7,79.601 28.7,86.2 27.309,87.591 20.725,87.575 20.2,88.1 20.2,97.201 27.599,104.6 32.45,109.451 32.45,115.35 34.675,117.575
  region net NetFB1_2: 75.8,63.2 75.8,66.95 74.65,68.1 65.2,68.1 64.6,68.7 64.6,71.475 65.125,72 78.3,72 78.8,71.5 78.8,63.2 78.6,63 76,63
  region net NetC2_1: 95.3,52.9 95.3,47 94.9,46.6 86,46.6 85.8,46.8 85.8,47.6 86,47.8 89.9,47.8 90.3,48.2 90.3,52.9 90.5,53.1 95.1,53.1
  region net NetC7_1: 78.9,47.8 78.8,47.7 78.8,46.8 78.9,46.7 80.5,46.7 80.6,46.6 84.6,46.6 84.8,46.8 84.8,47.6 84.6,47.8
  region net NetC17_1: 75.7,47.8 75.8,47.7 75.8,46.8 75.7,46.7 74.1,46.7 74,46.6 70,46.6 69.8,46.8 69.8,47.6 70,47.8
  region net NetC17_2: 59.3,52.9 59.3,47 59.7,46.6 68.6,46.6 68.8,46.8 68.8,47.6 68.6,47.8 64.7,47.8 64.3,48.2 64.3,52.9 64.1,53.1 59.5,53.1
Bottom Layer:
  region net NetC67_2: 62.35,2.65 62.575,2.875 65.55,2.875 67.45,4.775 67.45,8.35 67.8,8.7 74.2,8.7 74.5,8.4 74.5,2.725 74.275,2.5 69.975,2.5 69.225,1.75 69.225,0.675 69,0.45 62.525,0.45 62.35,0.625
  region net NetC36_2: 55.3,127.2 55.7,126.8 55.7,125.1 50.8,120.2 35.4,120.2 34.4,121.2 34.4,129.9 32.275,132.025 32.275,135.75 32.525,136 41.8,136 42.3,135.5 42.3,130.2 45.3,127.2
  region net +12V: 50.925,117.575 51.4,117.1 51.4,110.8 50.7,110.1 43.25,110.1 42.2,109.05 42.2,88.275 41.5,87.575 21.2,87.575 20.2,88.575 20.2,97.25 32.45,109.5 32.45,115.35 34.675,117.575

## Silkscreen, mask and mechanical layers (free items; w line width, h text height)
Bottom Overlay:
  lines w2.5: 40.02,7.218 cw(c83.185,-128.014) 126.292,7.237
  text "10cm pigtail" at 46.91,11.533 h3
  text "RX Bypass" at 132.41,11.533 h3
  text "RX Bypass" at 58.4,5.068 h3
  text "10cm pigtail" at 118.66,5.083 h3
Top Solder:
  region: 76.3,123.65 76.3,115.6 75.6,114.9 70.575,114.9 69.3,113.625 69.3,110.3 69.025,110.025 61.725,110.025 61,109.3 61,102 60.8,101.8 54.3,101.8 54,102.1 54,111.3 54,119 54.7,119.7 61.875,119.7 62.3,120.125 62.3,123.675 62.725,124.1 75.85,124.1
  region: 78.3,123.65 78.3,115.6 79,114.9 84.025,114.9 85.3,113.625 85.3,110.3 85.575,110.025 92.875,110.025 93.6,109.3 93.6,102 93.8,101.8 100.3,101.8 100.6,102.1 100.6,111.3 100.6,119 99.9,119.7 92.725,119.7 92.3,120.125 92.3,123.675 91.875,124.1 78.75,124.1

## Dimensions
-7,162.43 to -5.8,161.025 on Mechanical 1
-7,162.43 to -1,162.425 on Mechanical 1
0,171 to -1,162.425 on Mechanical 1
36,25.5 to 0,0 on Mechanical 1
36,145.5 to 0,171 on Mechanical 1
97.5,162.5 to 171,171 on Mechanical 1
94.5,4.5 to 0,0 on Mechanical 1
94.5,4.5 to 171,0 on Mechanical 1
97.5,162.5 to 171,171 on Mechanical 1
4.5,85.5 to 0,0 on Mechanical 1
4.5,85.5 to 0,171 on Mechanical 1
4.5,4.5 to 0,0 on Mechanical 1
0,0 to 4.5,4.5 on Mechanical 1
4.5,166.5 to 0,171 on Mechanical 1
0,171 to 4.5,166.5 on Mechanical 1
166.5,4.5 to 171,0 on Mechanical 1
171,0 to 166.5,4.5 on Mechanical 1
171,171 to 166.5,166.5 on Mechanical 1
171,171 to 166.5,166.5 on Mechanical 1
171,0 to 171,171 on Mechanical 1
0,0 to 171,0 on Mechanical 1

## Text inside footprints (layer, text, board x,y; h text height)
J16: Top Overlay "9" at 6.57,141.625 h1.02 r270; Top 3D Body "PCB Edge" at -2.4,150.425 h1.02 r270
L6: Top Overlay "FT50-43" at 54.475,142.84 h3 r180
L15: Top Overlay "2 x T68-2" at 136.575,41.465 h3 r180
L16: Top Overlay "2 x T68-2" at 149.89,34.9 h3 r90
L19: Top Overlay "T68-6" at 131.027,55.975 h3 r90
L20: Top Overlay "T68-2" at 150.125,60.215 h3 r180
L23: Top Overlay "T68-6" at 137.725,79.927 h3 r180
L24: Top Overlay "T68-6" at 151.502,73.875 h3 r90
L27: Top Overlay "T50-6" at 125.95,131.09 h3 r180
L28: Top Overlay "T50-6" at 137.04,125.25 h3 r90
L29: Top Overlay "T50-6" at 153.575,129.74 h3 r180
L31: Top Overlay "T50-6" at 134.09,91.925 h3 r90
L32: Top Overlay "T50-6" at 152.4,96.865 h3 r180
L34: Top Overlay "T50-6" at 136.7,112.74 h3 r180
L35: Top Overlay "T50-6" at 150.215,108.425 h3 r90
L37: Top Overlay "T50-17" at 122.54,140.85 h3 r90
L38: Top Overlay "T50-17" at 140.125,146.59 h3 r180
L39: Top Overlay "T50-17" at 150.79,140.45 h3 r90
L42: Top Overlay "T50-17" at 127.5,162.59 h3 r180
L43: Top Overlay "T50-17" at 137.74,156.9 h3 r90
L44: Top Overlay "T50-17" at 154.2,163.49 h3 r180